# Allegro board AX7021B.brd (continued)
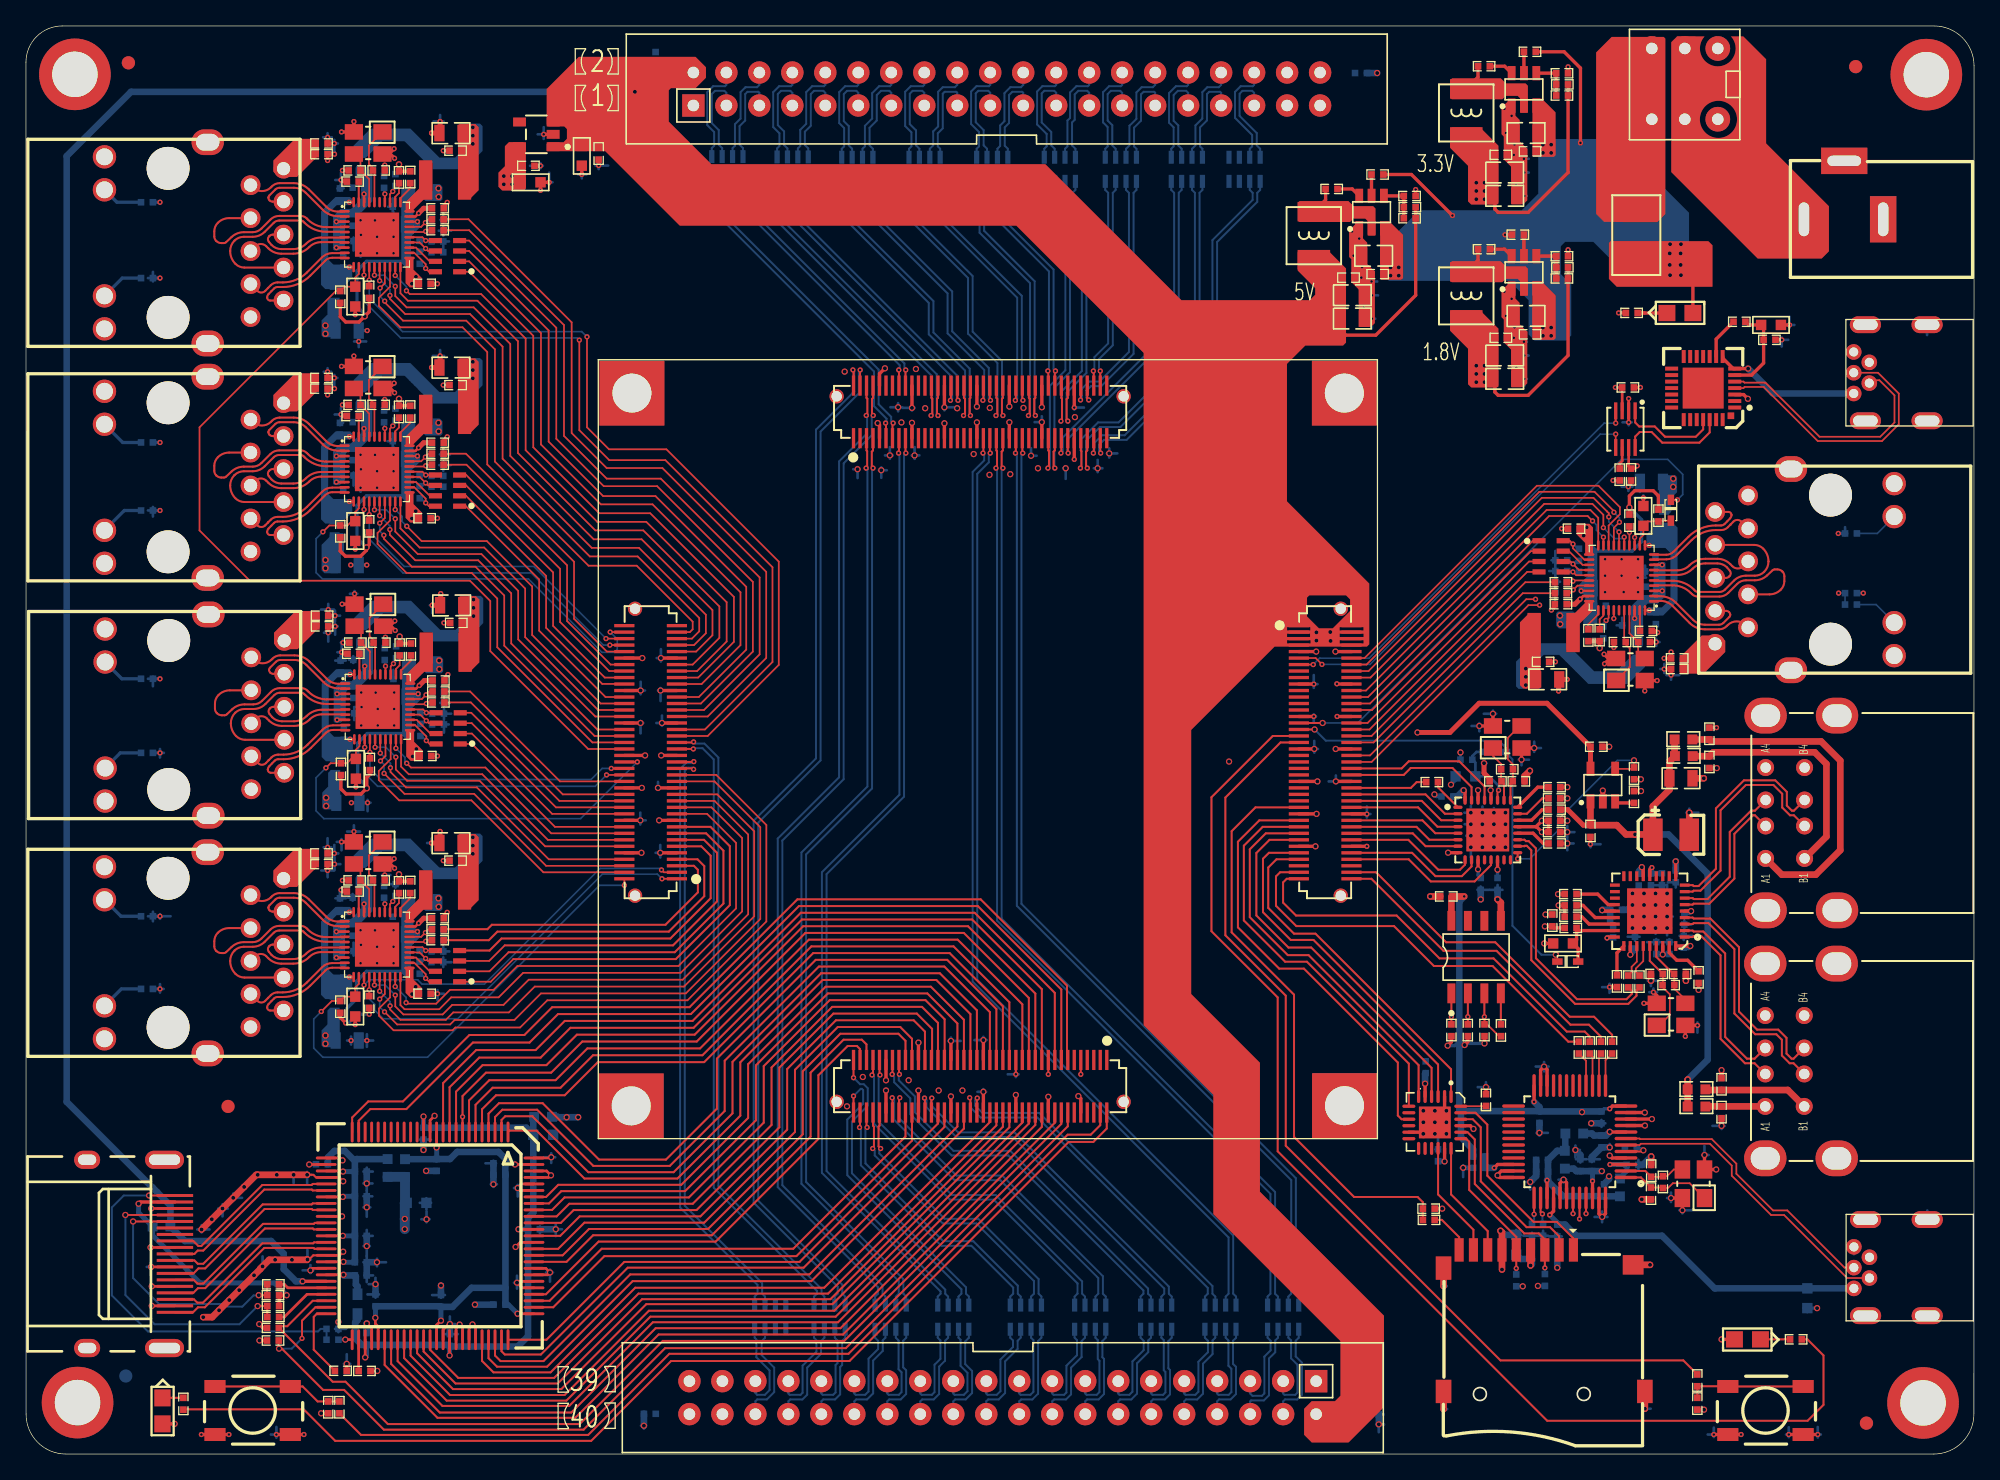
[diagram p0: board, top side]
## Nets (continued)
PHY2_TXD1: CON3.31 U10.17(TXD1)
PHY2_TXD2: CON3.27 U10.16(TXD2)
PHY2_TXD3: CON3.25 U10.15(TXD3)
PHY3_ADVDDL: C1517.1 C1518.1 C1520.1 L72.2 U11.3(AVDDL1) U11.8(AVDDL2) U11.38(AVDDL3)
PHY3_AVDD33: C1522.1 C1523.1 L71.2 U11.11(AVDD33_1) U11.40(AVDD33_2)
PHY3_DVDDL: C1515.1 C1516.1 C1519.1 L70.2 L72.1 U11.21(DVDDL)
PHY3_ENB_LDO: R1062.1 U11.32(LED0/ENB_LDO)
PHY3_ETH_RXD2: RN21.7 U11.23(RXD2)
PHY3_INT_N: R1078.2 U11.31(INTB/WOL)
PHY3_IODVDD: C1524.1 C1525.1 L73.2 R1072.2 R1073.2 R1074.2 R1077.2 R1079.2 U11.28(IODVDD)
PHY3_LED1: J11.14(LD2_A) R1063.1 U11.33(LED1/V_SEL0)
PHY3_LED2: J11.11(LD1_A) R1064.1 U11.34(LED2/V_SEL1)
PHY3_MDC: CON3.34 U11.13(MDC)
PHY3_MDI0_N: J11.P3(TRD0-) U11.2(MDI_A_N)
PHY3_MDI0_P: J11.P2(TRD0+) U11.1(MDI_A_P)
PHY3_MDI1_N: J11.P7(TRD1-) U11.5(MDI_B_N)
PHY3_MDI1_P: J11.P4(TRD1+) U11.4(MDI_B_P)
PHY3_MDI2_N: J11.P6(TRD2-) U11.7(MDI_C_N)
PHY3_MDI2_P: J11.P5(TRD2+) U11.6(MDI_C_P)
PHY3_MDI3_N: J11.P9(TRD3-) U11.10(MDI_D_N)
PHY3_MDI3_P: J11.P8(TRD3+) U11.9(MDI_D_P)
PHY3_MDIO: CON3.36 R1079.1 U11.14(MDIO)
PHY3_REGOUT: L70.1 U11.30(REG_OUT)
PHY3_RESET: C1527.1 CON3.38 R1077.1 U11.12(RSTN)
PHY3_RSET: R1067.2 U11.39(RSET)
PHY3_RXC_ADR1: R1066.1 R1075.2 U11.27(RXC/ADR1)
PHY3_RXCK: CON3.32 R1066.2
PHY3_RXCTL: CON3.28 R1065.2
PHY3_RXCTL_ADR2: R1065.1 R1076.2 U11.26(RXCTL/ADR2)
PHY3_RXD0: CON3.26 RN21.4
PHY3_RXD0_RXDLY: R1071.2 R1072.1 RN21.5 U11.25(RXD0/RXDLY)
PHY3_RXD1: CON3.24 RN21.3
PHY3_RXD1_TXDLY: R1070.2 R1073.1 RN21.6 U11.24(RXD1/TXDLY)
PHY3_RXD2: CON3.22 RN21.2
PHY3_RXD3: CON3.18 RN21.1
PHY3_RXD3_ADR0: R1074.1 RN21.8 U11.22(RXD3/ADR0)
PHY3_TXCK: CON3.14 U11.20(TXC)
PHY3_TXCTL: CON3.16 U11.19(TXCTL)
PHY3_TXD0: CON3.4 U11.18(TXD0)
PHY3_TXD1: CON3.6 U11.17(TXD1)
PHY3_TXD2: CON3.8 U11.16(TXD2)
PHY3_TXD3: CON3.12 U11.15(TXD3)
PHY4_ADVDDL: C1534.1 C1535.1 C1537.1 L76.2 U12.3(AVDDL1) U12.8(AVDDL2) U12.38(AVDDL3)
PHY4_AVDD33: C1539.1 C1540.1 L75.2 U12.11(AVDD33_1) U12.40(AVDD33_2)
PHY4_DVDDL: C1532.1 C1533.1 C1536.1 L74.2 L76.1 U12.21(DVDDL)
PHY4_ENB_LDO: R1080.1 U12.32(LED0/ENB_LDO)
PHY4_ETH_RXD2: RN22.7 U12.23(RXD2)
PHY4_INT_N: R1096.2 U12.31(INTB/WOL)
PHY4_IODVDD: C1541.1 C1542.1 L77.2 R1090.2 R1091.2 R1092.2 R1095.2 R1097.2 U12.28(IODVDD)
PHY4_LED1: J12.14(LD2_A) R1081.1 U12.33(LED1/V_SEL0)
PHY4_LED2: J12.11(LD1_A) R1082.1 U12.34(LED2/V_SEL1)
PHY4_MDC: CON3.74 U12.13(MDC)
PHY4_MDI0_N: J12.P3(TRD0-) U12.2(MDI_A_N)
PHY4_MDI0_P: J12.P2(TRD0+) U12.1(MDI_A_P)
PHY4_MDI1_N: J12.P7(TRD1-) U12.5(MDI_B_N)
PHY4_MDI1_P: J12.P4(TRD1+) U12.4(MDI_B_P)
PHY4_MDI2_N: J12.P6(TRD2-) U12.7(MDI_C_N)
PHY4_MDI2_P: J12.P5(TRD2+) U12.6(MDI_C_P)
PHY4_MDI3_N: J12.P9(TRD3-) U12.10(MDI_D_N)
PHY4_MDI3_P: J12.P8(TRD3+) U12.9(MDI_D_P)
PHY4_MDIO: CON3.76 R1097.1 U12.14(MDIO)
PHY4_REGOUT: L74.1 U12.30(REG_OUT)
PHY4_RESET: C1544.1 CON3.78 R1095.1 U12.12(RSTN)
PHY4_RSET: R1085.2 U12.39(RSET)
PHY4_RXC_ADR1: R1084.1 R1093.2 U12.27(RXC/ADR1)
PHY4_RXCK: CON3.72 R1084.2
PHY4_RXCTL: CON3.68 R1083.2
PHY4_RXCTL_ADR2: R1083.1 R1094.2 U12.26(RXCTL/ADR2)
PHY4_RXD0: CON3.66 RN22.4
PHY4_RXD0_RXDLY: R1089.2 R1090.1 RN22.5 U12.25(RXD0/RXDLY)
PHY4_RXD1: CON3.64 RN22.3
PHY4_RXD1_TXDLY: R1088.2 R1091.1 RN22.6 U12.24(RXD1/TXDLY)
PHY4_RXD2: CON3.62 RN22.2
PHY4_RXD3: CON3.58 RN22.1
PHY4_RXD3_ADR0: R1092.1 RN22.8 U12.22(RXD3/ADR0)
PHY4_TXCK: CON3.54 U12.20(TXC)
PHY4_TXCTL: CON3.56 U12.19(TXCTL)
PHY4_TXD0: CON3.44 U12.18(TXD0)
PHY4_TXD1: CON3.46 U12.17(TXD1)
PHY4_TXD2: CON3.48 U12.16(TXD2)
PHY4_TXD3: CON3.52 U12.15(TXD3)
PHY5_ADVDDL: C1551.1 C1552.1 C1554.1 L80.2 U13.3(AVDDL1) U13.8(AVDDL2) U13.38(AVDDL3)
PHY5_AVDD33: C1556.1 C1557.1 L79.2 U13.11(AVDD33_1) U13.40(AVDD33_2)
PHY5_DVDDL: C1549.1 C1550.1 C1553.1 L78.2 L80.1 U13.21(DVDDL)
PHY5_ENB_LDO: R1098.1 U13.32(LED0/ENB_LDO)
PHY5_ETH_RXD2: RN23.7 U13.23(RXD2)
PHY5_INT_N: R1115.2 U13.31(INTB/WOL)
PHY5_IODVDD: C1558.1 C1559.1 L81.2 R1108.2 R1109.2 R1110.2 R1113.2 R1114.2 U13.28(IODVDD)
PHY5_LED1: J13.14(LD2_A) R1099.1 U13.33(LED1/V_SEL0)
PHY5_LED2: J13.11(LD1_A) R1100.1 U13.34(LED2/V_SEL1)
PHY5_MDC: CON3.47 U13.13(MDC)
PHY5_MDI0_N: J13.P3(TRD0-) U13.2(MDI_A_N)
PHY5_MDI0_P: J13.P2(TRD0+) U13.1(MDI_A_P)
PHY5_MDI1_N: J13.P7(TRD1-) U13.5(MDI_B_N)
PHY5_MDI1_P: J13.P4(TRD1+) U13.4(MDI_B_P)
PHY5_MDI2_N: J13.P6(TRD2-) U13.7(MDI_C_N)
PHY5_MDI2_P: J13.P5(TRD2+) U13.6(MDI_C_P)
PHY5_MDI3_N: J13.P9(TRD3-) U13.10(MDI_D_N)
PHY5_MDI3_P: J13.P8(TRD3+) U13.9(MDI_D_P)
PHY5_MDIO: CON3.45 R1114.1 U13.14(MDIO)
PHY5_REGOUT: L78.1 U13.30(REG_OUT)
PHY5_RESET: C1561.1 CON3.42 R1113.1 U13.12(RSTN)
PHY5_RSET: R1103.2 U13.39(RSET)
PHY5_RXC_ADR1: R1101.1 R1111.2 U13.27(RXC/ADR1)
PHY5_RXCK: CON3.51 R1101.2
PHY5_RXCTL: CON3.53 R1102.2
PHY5_RXCTL_ADR2: R1102.1 R1112.2 U13.26(RXCTL/ADR2)
PHY5_RXD0: CON3.55 RN23.4
PHY5_RXD0_RXDLY: R1106.2 R1109.1 RN23.5 U13.25(RXD0/RXDLY)
PHY5_RXD1: CON3.57 RN23.3
PHY5_RXD1_TXDLY: R1107.2 R1108.1 RN23.6 U13.24(RXD1/TXDLY)
PHY5_RXD2: CON3.61 RN23.2
PHY5_RXD3: CON3.63 RN23.1
PHY5_RXD3_ADR0: R1110.1 RN23.8 U13.22(RXD3/ADR0)
PHY5_TXCK: CON3.67 U13.20(TXC)
PHY5_TXCTL: CON3.65 U13.19(TXCTL)
PHY5_TXD0: CON3.77 U13.18(TXD0)
PHY5_TXD1: CON3.75 U13.17(TXD1)
PHY5_TXD2: CON3.73 U13.16(TXD2)
PHY5_TXD3: CON3.71 U13.15(TXD3)
PL_KEY: CON4.4 R129.2
PL_LED: CON4.2 R133.1
PS_KEY: CON1.37 R121.2
PS_LED: CON1.35 R131.1
RGMII_VCC: C187.1 C188.1 L69.1 L73.1 L77.1 L81.1 U19.5(VOUT)
SD_CD: CON1.57 R19.1 R20.2
SD_CLK: CON1.61 U5.9(CLKA)
SD_CMD: CON1.67 U5.4(CMDA)
SD_D0: CON1.65 U5.6(DAT0A)
SD_D1: CON1.63 U5.7(DAT1A)
SD_D2: CON1.73 U5.1(DAT2A)
SD_D3: CON1.71 U5.3(DAT3A)
TX_0N: J9.9(D0-) U9.33(TX0-)
TX_0P: J9.7(D0+) U9.34(TX0+)
TX_1N: J9.6(D1-) U9.36(TX1-)
TX_1P: J9.4(D1+) U9.37(TX1+)
TX_2N: J9.3(D2-) U9.39(TX2-)
TX_2P: J9.1(D2+) U9.40(TX2+)
TX_CN: J9.12(CK-) U9.30(TXC-)
TX_CP: J9.10(CK+) U9.31(TXC+)
UART_RX: CON1.11 U4.5(A1)
UART_TX: CON1.13 U4.4(A2)
USB2_5V: C62.1 C63.1 C64.1 L26.2 L27.2 L29.2 L30.2 R40.1 U8.1(OUT)
USB_5V: C1.1 C2.1 J1.1(VCC) U1.40(VREGIN)
USB_DM: R150.2 U18.30(DM_UP)
USB_DP: R151.2 U18.31(DP_UP)
USB_VBUS: R40.2 U7.22(VBUS)
VIDEO1_AVCC: C77.1 C78.1 C79.1 C80.1 L9.1 R51.2 U9.28(PVCC1) U9.32(AVCC18#32) U9.38(AVCC18#38) U9.42(PVCC2)
VIDEO1_CORE: C69.1 C70.1 C71.1 C72.1 C73.1 C74.1 L8.1 U9.12(CVCC18#12) U9.55(CVCC18#55) U9.64(CVCC18#64) U9.76(CVCC18#76) U9.99(CVCC18#99)
VIDEO1_VCCIO: C65.1 C66.1 C67.1 C68.1 C75.1 L7.2 R43.2 U9.14(IOVCC33#14) U9.53(IOVCC33#53) U9.66(IOVCC33#66) U9.89(IOVCC33#89)
VPHY: C15.1 L2.2 U1.3(VPHY)
VPLL: C13.1 L1.2 U1.8(VPLL)
VUSB_V_EN: R42.2 U7.17(CPEN) U8.4(EN)
XADC_VN: CON1.53
XADC_VP: CON1.51
N16524379: J3.1(DAT2) U5.23(DAT2B0)
N16524383: J3.2(CD/DAT3) U5.22(DAT3B0)
N16524395: J3.3(CMD) R17.1 U5.20(CMDB0)
N16524421: J3.5(CLK) R16.1 U5.19(CLKB0)
N16524425: J3.7(DAT0) U5.18(DAT0B0)
N16524429: J3.8(DAT1) U5.16(DAT1B0)
N16546528: R18.2 U5.24(SEL)
N16579258: J3.9(CD) R20.1
N17796323: CN1.3 SW1.2(COMMON1) SW1.5(COMMON2)
N19724336: F2.1 SW1.3(NO1) SW1.6(NO2)
N20033644: LED9.2(CATHODE) R137.2
N20060148: CON4.1
N20060159: CON4.3
N20060167: CON4.11
N20060427: CON2.24
N20060447: CON4.12
N20060632: CON4.5
N20060638: CON4.7
N20060678: CON2.80
N20060724: CON2.79
N20060735: CON3.79
N20060743: CON3.80
N20060756: CON2.3
N20060759: CON2.1
N20060813: CON2.21
N20060821: CON2.23
N20060829: CON2.27
N20060837: CON2.25
N20060845: CON2.33
N20060848: CON2.31
N20060851: CON2.37
N20060854: CON2.35
N20060925: CON2.22
N20060949: CON4.6
N20060952: CON4.8
N20060955: CON2.14
N20060963: CON2.12
N20061029: CON2.55
N20061032: CON2.57
N20065139: C244.2 R164.2 U1.1(XCSI) Y1.1
N20065143: C243.2 R164.1 U1.2(XCSO) Y1.3
N20065179: R3.2 U1.13(ADBUS0/TCK)
N20065181: R6.2 U1.16(ADBUS3/TMS)
N20065207: R5.2 U1.15(ADBUS2/TDO)
N20065314: R12.2 U2.4(DO)
N20065556: R4.2 U1.14(ADBUS1/TDI)
N20065715: C3.2 U1.38(VCCCORE)
N20065717: C4.2 U1.37(VCCA)
N20065767: J1.3(D+) U1.7(DP)
N20065769: J1.2(D-) U1.6(DM)
N20065771: C5.1 R7.2 U1.34(RESET)
N20065803: R8.2 U1.5(REF)
N20114690: R39.2 U7.24(RBIAS)
N20114742: R41.2 U8.3(/OC)
N20114878: C60.2 R38.1 U7.25(XO) Y3.3
N20114880: C59.2 R38.2 U7.26(REFCLK) Y3.1
N20115212: C58.2 U7.20(VDD33)
N20115232: C57.1 D2.2(ANODE) R36.1 U7.27(RESETB)
N20115313: R37.2 U7.1(CLKOUT)
N20218751: C76.2 R43.1 U9.44(AVCC33)
N20218864: R51.1 U9.27(EXT_SWG)
N20218993: R45.1 U9.47(DSDA)
N20218995: R44.1 U9.46(DSCL)
N20218997: R47.1 U9.51(HPD)
N20218999: R46.1 U9.52(RSVDL)
N20219151: R50.1 U9.50(CI2CA)
N20246377: KEY2.3(P3) KEY2.4(P4) R123.1 R129.1
N20246467: LED2.2(CATHODE) R133.2
N20257827: LED1.2(CATHODE) R131.2
N20257996: KEY1.3(P3) KEY1.4(P4) R119.1 R121.1
N20328280: J2.1(VCC) U3.7(REGIN) U3.8(VBUS)
N20328299: J2.2(D-) U3.5(D-)
N20328339: J2.3(D+) U3.4(D+)
N20328351: R159.1 U3.9(R\S\T\)
N20328357: C221.1 C222.1 R159.2 U3.6(VDD)
N20328387: U3.26(TXD) U4.8(B1)
N20328389: U3.25(RXD) U4.1(B2)
N20365659: C236.1 D3.2(ANODE) R153.1 U18.26(RESET_N)
N20365863: R152.2 U18.28(SUSP_IND/LOCAL_PWR/NON_REM0)
N20365866: R154.2 U18.22(SDA/SMBDATA/NON_REM1)
N20365873: R155.2 U18.24(SCL/SMBCLK/CFG_SEL0)
N20365876: R156.2 U18.25(HS_IND/CFG_SEL1)
N20366975: C230.1 C231.1 U18.34(PLLFILT)
N20366989: C232.1 C233.1 U18.14(CRFILT)
N20367850: C234.2 R157.1 U18.33(XTALIN/CLKIN) Y8.3
N20367872: C235.2 R157.2 U18.32(XTALOUT) Y8.1
N20369652: R158.2 U18.35(RBIAS)
N20375664: R163.1 U18.27(VBUS_DET)
N20563050: R318.2 U20.5(EN)
N20563056: C616.1 U20.6(BST)
N20563058: C616.2 L39.1 U20.2(SW)
N20563082: C618.1 R316.1 R317.2 U20.4(FB)
N20564763: R325.2 U54.5(EN)
N20564775: C628.1 U54.6(BST)
N20564779: C628.2 L41.1 U54.2(SW)
N20564823: C629.1 R323.1 R324.2 U54.4(FB)
N20565792: R326.2 U53.5(EN)
N20565796: C622.1 U53.6(BST)
N20565808: C622.2 L40.1 U53.2(SW)
N20565842: C624.1 R319.1 R320.2 U53.4(FB)
N20568243: C673.1 C674.1 J4.P1(CT)
N20568336: C1504.1 D35.2(ANODE) R1026.1 U6.12(RSTN)
N20568727: C675.1 U6.36(XI) Y9.1
N20568740: C676.1 U6.37(XO) Y9.3
N20569120: J4.13(LD2_K) R1034.1
N20569150: J4.12(LD1_K) R1035.1
N20571427: C1505.1 U10.36(XI) Y4.1
N20571435: C1506.1 U10.37(XO) Y4.3
N20571809: J10.13(LD2_K) R1051.1
N20572137: C1511.1 C1512.1 J10.P1(CT)
N20573187: J10.12(LD1_K) R1052.1
N20576849: C1513.1 U11.36(XI) Y10.1
N20576857: C1514.1 U11.37(XO) Y10.3
N20577227: J11.13(LD2_K) R1068.1
N20577515: C1528.1 C1529.1 J11.P1(CT)
N20577644: J11.12(LD1_K) R1069.1
N20580897: C1530.1 U12.36(XI) Y11.1
N20580905: C1531.1 U12.37(XO) Y11.3
N20581275: J12.13(LD2_K) R1086.1
N20581593: C1545.1 C1546.1 J12.P1(CT)
N20581722: J12.12(LD1_K) R1087.1
N20585514: C1547.1 U13.36(XI) Y12.1
N20585516: C1548.1 U13.37(XO) Y12.3
N20585908: J13.13(LD2_K) R1104.1
N20586206: C1562.1 C1563.1 J13.P1(CT)
N20586345: J13.12(LD1_K) R1105.1
N203282594: R160.2 U4.6(OE)

Pads without a net: CON1 15 17 21 23 25 27 41 43 45 47 55 75 76 81 82; CON2 81 82; CON3 81 82; CON4 81 82; J1 4; J2 4; J9 14; NOREF#2 1; NOREF#3 1; NOREF#4 1; NOREF#5 1; NOREF#7 1; NOREF#8 1; NOREF#9 1; NOREF#10 1; RN17 3 4 5 6; RN18 3 4 5 6; SW1 1 4; U1 17 18 19 20 21 25 26 27 28 29 30 31 32 33; U2 6 7; U3 1 2 10 11 12 13 14 15 16 17 18 19 20 21 22 23 24 27 28; U5 8 10 12 13 14 15; U6 35; U7 12 15 16; U9 15 16 17 18 19 20 21 22 23; U10 35; U11 35; U12 35; U13 35; U18 11 12 13 16 17 18 19 20 21; U19 4

## Via types
v1: diameter 0.406, hole 0.203, TOP to BOTTOM, 459 vias
v2: diameter 0.5, hole 0.3, TOP to BOTTOM, 82 vias
v3: diameter 0.483, hole 0.305, TOP to BOTTOM, 320 vias

## Routing (per net, layer and track width the routed paths; a pad name or vN(x,y) marks a point on that pad's centre or on a via; arc(x,y) is an arc through that point)
GND: length 785.3
  TOP w0.127: C1519.2 v1(31.68,53.77)
  TOP w0.152: CON4.9 v1(81.23,29.25) ; CON4.19 v1(78.73,29.25) ; U9.29 22.34,21.3 22.13,21.51 v3(21.65,21.51) ; CON4.29 v1(76.23,29.25) ; U9.41 22.12,15.3 21.8,14.99 v3(21.68,14.99)
  TOP w0.203: J9.17 v3(9.64,18.91) ; U9.87 38.06,16.3 v3(37.7,15.95) ; J9.2 v3(9.69,11.41) ; U9.69 34.12,9.72 v3(34.38,9.98) 34.62,9.75 U9.70 ; C240.2 123.59,74.71 v1(123.39,74.51) ; U9.67 33.12,9.7 v3(33.39,9.97) 33.62,9.75 U9.68 ; v3(21.9,14.15) 22.06,14.3 U9.43 ; J9.11 v3(9.59,15.91) ; v3(31.46,26.05) 31.12,25.71 U9.13 ; U9.98 40.09,21.8 v3(40.43,21.47) 40.4,21.47 40.24,21.3 U9.97 ; U9.81 37.92,13.3 v3(37.81,13.2) 38.2,12.8 U9.80 ; U9.54 26.62,9.69 v3(26.25,10.06) ; U9.95 38.05,20.3 v3(37.86,20.49) 37.86,20.51 38.15,20.8 U9.96 ; U9.82 40.17,13.8 v3(40.35,13.99) 40.03,14.3 U9.83 ; v1(123.42,79.47) U4.2 v1(123.42,81.3) ; J9.5 v3(9.69,12.91) ; U9.35 v3(24.34,18.3) ; v3(40.45,22.86) 40.39,22.8 U9.100 ; v3(32.64,10.01) 32.55,10.01 32.12,9.58 U9.65 ; v3(24.43,15.59) 24.14,15.3 U9.41 ; J9.8 v3(9.64,14.41) ; U9.26 24.19,22.8 v3(24.38,22.62) ; U9.29 24.12,21.3 24.41,21.01 v3(24.43,21.01)
  TOP w0.254: v1(28.35,82.49) 27.94,82.08 ; 27.94,82.08 28.05,82.08 v1(28.38,81.75) ; 27.94,82.08 Y11.4 ; C1560.2 32.18,96.15 v1(32.44,96.41) ; v1(114.62,86.78) C621.2 v1(113.97,87.67) ; C676.2 v1(125.54,62.54) ; 27.94,45.45 Y4.4 ; 27.94,45.45 v1(28.35,45.86) ; 27.94,45.45 28.05,45.45 v1(28.38,45.12) ; C1531.2 v1(24.37,80.81) ; C1503.2 32.18,41.46 v1(32.44,41.73) ; CON3.40 v3(47.67,53.81) ; v1(28.35,100.55) 27.94,100.14 ; 27.94,100.14 Y12.4 ; 27.94,100.14 28.05,100.14 v1(28.38,99.81) ; CON3.10 v3(47.4,46.31) ; CON2.19 v3(68.23,79.43) ; R1067.1 24.43,61.64 v1(24.31,61.76) ; CON2.59 v3(78.23,79.49) ; CON2.9 65.73,79.27 v3(65.58,79.41) ; R158.1 v3(128.8,35.75) ; v1(114.4,88.99) U53.1 114.09,89.77 v1(113.85,89.54) ; U1.41 118.13,20.87 v3(118.4,21.13) 118.63,20.9 U1.42 ; R152.1 v1(121.94,35.96) ; v1(25.3,66.26) Y10.2 v1(24.35,65.47) ; CON1.40 v3(100.85,54.31) ; v3(112.96,57.02) Y3.4 v3(111.91,56.08) ; v1(15.63,1.5) KEY2.2 v1(13.51,1.5) ; U1.23 116.63,29.58 v3(116.9,29.84) 117.13,29.61 U1.22 ; CON1.49 v3(99.45,51.81) ; v3(66.14,83.63) 65.73,83.21 CON2.10 ; CON4.70 v3(66.23,28) ; v1(114.76,97.77) C630.2 v1(115.38,96.91) ; v3(115.16,53.49) Y3.2 v3(116.14,54.38) ; R154.1 v3(117.98,43.13) ; C631.2 v1(115.38,98.7) ; C1516.2 v1(32.18,64.02) ; C671.2 v1(115.35,85.68) ; v1(32.49,60.04) 32.23,59.77 C1526.2 ; v1(23.23,99.64) C1562.2 v1(23.76,100.13) ; R316.2 v1(107.01,97.4) ; CON4.39 v3(73.73,31.89) ; C1504.2 v1(124.55,73.65) ; v1(102.89,91.42) C615.2 v1(102.23,92.31) ; v1(25.25,84.58) Y11.2 v1(24.3,83.78) ; v1(23.23,83.36) C1546.2 v1(23.75,82.89) ; C53.2 v3(118.69,47.91) ; U1.9 v3(124.67,25.3) ; R1085.1 24.38,79.95 v1(24.26,80.07) ; v3(118.02,42.26) R155.1 R156.1 ; CON1.60 103.24,49.31 v1(103.26,49.3) ; v1(24.26,98.13) 24.38,98.01 R1103.1 ; CON3.9 v3(48.84,46.31) ; C241.2 v1(130.18,55.95) ; v1(21.4,1.5) KEY2.1 v1(19.28,1.5) ; CON4.60 v3(68.73,28) ; v1(23.76,45.44) C1511.2 v1(23.23,44.95) ; C186.2 v1(44.1,99.25) ; v1(121.52,61.61) 121.85,61.28 121.96,61.28 ; v3(132.6,81.28) 132.27,81.61 U3.3 ; C1553.2 v1(31.68,90.14) ; R319.2 v1(118.75,92.76) ; v1(23.75,100.95) C1563.2 v1(23.23,101.42) ; v1(32.44,78.35) 32.18,78.09 C1543.2 ; C670.2 v1(115.35,99.77) ; v1(125.32,35.57) 125.58,35.32 Y8.4 v1(124.59,34.72) ; CON3.20 v3(47.31,48.81) ; C221.2 v1(135.8,86.97) ; v1(23.28,65.04) C1529.2 v1(23.8,64.58) ; C1527.2 v1(25.41,51.39) ; CON2.30 v3(70.73,80.63) ; C64.2 v1(120.47,46.97) ; C625.2 v1(115.38,84.61) ; U1.48 121.63,18.52 v3(121.37,18.26) 121.13,18.5 U1.47 ; v1(129.97,1.5) KEY1.2 v1(132.07,1.5) ; C672.2 v1(103.62,90.32) ; v3(129.25,23.03) Y1.2 v3(130.15,21.92) ; C1505.2 v1(27.63,44.6) ; CON3.29 v3(48.67,51.31) ; C1494.2 117.73,65.27 v1(117.46,65.01) ; CON3.60 v3(47.33,58.81) ; v1(125.65,63.28) 125.53,63.4 R1033.1 ; C58.1 v3(118.69,47.03) ; C1561.2 v1(25.36,87.76) ; v3(107.6,24.66) 107.48,24.79 U5.11 ; R42.1 v3(124.35,51.97) ; R137.1 v1(122.64,87.9) ; R162.2 v3(118.69,50.51) ; C242.2 v3(130.2,52.84) ; CON3.59 v3(48.87,58.81) ; C1508.2 v1(31.69,35.45) ; v1(114.62,100.87) C627.2 v1(113.97,101.76) ; v1(25.25,102.64) Y12.2 v1(24.3,101.84) ; CON4.50 v3(71.23,27.55) ; v1(102.11,94.17) 102.35,94.41 U20.1 v1(102.67,93.62) ; C619.2 v1(103.64,89.25) ; CON1.59 v3(99.38,49.31) ; CON3.19 v3(48.76,48.81) ; v1(80.73,80.61) CON2.70 ; CON1.10 v3(100.84,61.81) ; v1(23.23,46.73) C1512.2 v1(23.75,46.26) ; v1(124.65,58.78) Y9.2 v1(125.61,59.58) ; v1(126.16,60.47) C674.2 v1(126.68,60) ; C1506.2 v1(24.37,44.19) ; v1(115.38,82.82) C623.2 v1(114.76,83.68) ; CON3.69 v3(48.89,61.31) ; v1(137.98,1.5) KEY1.1 v1(135.74,1.5) ; C1484.2 v1(117.77,61.02) ; C626.2 v1(114.57,85.98) ; C1513.2 v1(27.68,62.91) ; v1(127.78,32.17) Y8.2 v1(128.71,33.02) ; CON3.30 v3(47.42,51.31) ; R323.2 v1(118.75,106.85) ; CON1.19 99.16,59.31 v1(99.17,59.3) ; CON2.29 v3(70.73,79.39) ; CON1.69 v3(99.3,46.81) ; U1.10 v3(125.2,25.8) ; v1(103.03,88.31) C617.2 v1(103.64,87.45) ; CON2.40 v3(73.23,80.68) ; v1(28.43,63.44) 28.1,63.77 27.99,63.77 ; U1.35 113.61,21.8 113.37,21.56 113.37,21.51 v3(113.32,21.46) 113.48,21.3 U1.36 ; CON2.69 v1(80.73,76.62) ; C52.2 v3(118.69,48.78) ; v1(126.68,61.78) C673.2 v1(126.15,61.29) ; v1(100.94,59.33) 100.96,59.31 CON1.20 ; v1(39.62,97.34) C188.2 v1(40.29,97.96) ; CON3.39 v3(48.91,53.81) ; C1550.2 v1(32.13,100.39) ; CON1.50 v3(100.87,51.81) ; CON4.20 v3(78.73,27.52) ; C1536.2 v1(31.69,72.08) ; C222.2 v1(135.2,85.82) ; R1050.1 24.38,43.33 v1(24.26,43.45) ; C239.2 v1(124.32,82.16) ; C1530.2 v1(27.63,81.23) ; CON4.49 v3(71.23,31.82) ; v3(121.96,22.99) 122.14,22.8 U1.4 ; CON4.30 v3(76.23,27.66) ; v1(23.28,63.26) C1528.2 v1(23.81,63.75) ; 27.99,63.77 Y10.4 ; 27.99,63.77 v1(28.4,64.17) ; C675.2 v1(122.28,62.13) ; CON4.40 v3(73.73,27.9) ; R46.2 v3(27.05,6.4) ; v1(24.3,47.15) Y4.2 v1(25.25,47.95) ; 121.96,61.28 Y9.4 ; 121.96,61.28 v1(121.56,60.87) ; v1(23.76,82.07) C1545.2 v1(23.23,81.58) ; C1547.2 v1(27.63,99.29) ; C1548.2 v1(24.37,98.87) ; CON1.9 v3(99.35,61.81) ; v1(114.4,103.08) U54.1 114.09,103.86 v1(113.85,103.63) ; CON3.70 v3(47.46,61.31) ; CON4.69 v3(66.23,28.79) ; CON2.60 v3(78.23,80.63) ; CON2.49 v3(75.73,79.47) ; R50.2 v3(24.7,6.95) ; R18.1 v3(112.43,28.26) ; CON1.29 99.16,56.81 v1(99.17,56.81) ; C1496.2 v1(32.13,45.71) ; C1533.2 v1(32.13,82.33) ; R39.1 v3(118.69,51.37) ; C632.2 v1(114.57,100.07) ; CON4.10 81.23,27.38 v3(81.04,27.57) ; v1(100.96,56.81) 100.97,56.81 CON1.30 ; v3(126.68,19.72) Y1.4 v3(127.55,18.78) ; C224.2 v3(117.01,41.56) ; C620.2 v1(102.83,90.62) ; CON1.39 v3(99.21,54.31) ; CON2.39 v3(73.23,79.46) ; C187.2 v1(39.62,99.23) ; C1510.2 v1(25.36,33.08) ; C1514.2 v1(24.42,62.5) ; v3(109.38,26.44) 109.24,26.58 U5.2 ; CON4.59 v3(68.73,31.69) ; U1.11 v3(124.66,26.3) ; C189.2 v1(42.8,98.57) ; CON3.50 v3(47.33,56.31) ; CON2.20 v3(68.23,80.58) ; C1487.2 v1(118.25,71.28) ; CON3.49 v3(48.97,56.31) ; CON1.70 v1(103.25,46.81) ; CON2.50 v3(75.73,80.68) ; C1544.2 v1(25.36,69.7) ; U19.2 v1(39.87,101.65) ; C236.2 v3(116.91,39.33)
  TOP w0.381: C61.2 v3(121.92,54.48) ; C59.1 112.71,52.02 112.28,52.45 v3(112.28,53.21) ; v1(118.02,58.77) 118.02,59.67 C1483.2 v1(118.67,59.67) ; v1(31.89,102.64) 31.89,101.75 C1549.2 v1(31.23,101.75) ; v1(31.28,65.38) C1515.2 31.94,65.38 v1(31.94,66.27) ; C238.2 v3(130.57,29.57) ; v1(31.23,83.69) C1532.2 31.89,83.69 v1(31.89,84.58) ; C237.2 v3(130.57,25.27) ; U8.2 v3(121.43,51.11) ; v1(31.89,47.96) 31.89,47.06 C1507.2 v1(31.23,47.06)
  TOP w0.508: C243.1 v3(125.15,22.92) ; v3(115.81,52.63) 115.4,52.22 C60.1 ; C17.2 v3(108.14,42.95) ; v3(21.65,21.51) v3(20.61,21.51) v3(19.31,21.51) v3(17.84,21.51) 17.73,21.51 v3(16.8,20.57) v3(15.96,19.74) v3(15.14,18.91) v3(14.31,18.08) v3(13.52,17.3) ; v3(129.2,52.05) C62.2 128.28,52.05 ; v3(113.32,42.72) 113.57,42.47 U2.5 ; v3(13.65,10.54) 14.34,10.54 v3(14.87,11.07) v3(15.66,11.86) v3(16.42,12.62) v3(17.56,13.77) 18.04,14.25 18.04,14.27 v3(18.22,14.45) 18.73,14.96 v3(19.19,14.96) v3(20.48,14.96) 21.63,14.96 21.65,14.99 v3(21.68,14.99) ; C234.1 v3(127.82,36.46) ; C63.2 v3(128.08,49.41) ; J3.10 v3(125.06,14.57) ; J3.11 v3(109.16,12.94) ; v3(113.55,17.19) 113.66,17.08 J3.6 v3(113.66,14.21) ; C235.1 v3(125.13,36.46) ; J3.13 v3(124.66,3.49) ; C244.1 v3(124.42,19.61) ; J3.12 v3(109.16,3.46)
  SGND w0.381: J16.38 98.17,106.41 ; J9.23 5.9,22.66 ; J12.15 15.43,82.98 ; J5.S2 141.26,22.78 ; J13.P10 18.25,87.58 ; J6.B4 137.81,52.88 ; J5.S4 141.26,37.78 ; J12.P10 18.25,69.52 ; J16.37 98.17,103.87 ; J15.37 54.68,5.61 ; J6.S1 135.78,41.88 ; J5.B4 137.78,33.78 ; J13.16 15.43,85.54 ; J4.15 137.35,60.37 ; J9.21 12.36,22.66 ; J6.A4 134.81,52.88 ; J10.16 15.43,30.86 ; J15.1 100.4,5.61 ; J4.P10 133.56,73.84 ; J16.1 52.45,103.87 ; J4.16 137.35,75.87 ; J5.S1 135.76,22.78 ; J6.S3 135.78,56.88 ; J11.P10 18.3,51.21 ; J13.15 15.43,101.04 ; J6.S4 141.28,56.88 ; J9.22 5.9,8.16 ; J6.S2 141.28,41.88 ; J11.16 15.48,49.17 ; J9.20 12.36,8.16 ; J10.P10 18.25,32.89 ; CN1.2 141.98,99.61 ; J11.15 15.48,64.67 ; J12.16 15.43,67.49 ; J5.S3 135.76,37.78 ; J10.15 15.43,46.36 ; J5.A4 134.78,33.78 ; J15.38 54.68,3.07 ; CN1.1 144.22,95.11